# Altium PCB core.PcbDoc (part 2 of 4)
Units mil, origin at the board's own origin, x right, y up, seen from the top; angles counter-clockwise.
Board outline 2844.68 x 1781.68 mil, 4 copper layers (Top Layer 1, Signal Layer 1, Signal Layer 2, Bottom Layer 1), stack 23.756 mil thick; 133 components, 210 nets, 844 pads, 433 vias.
Unrouted connection lines stored in the file: 3.
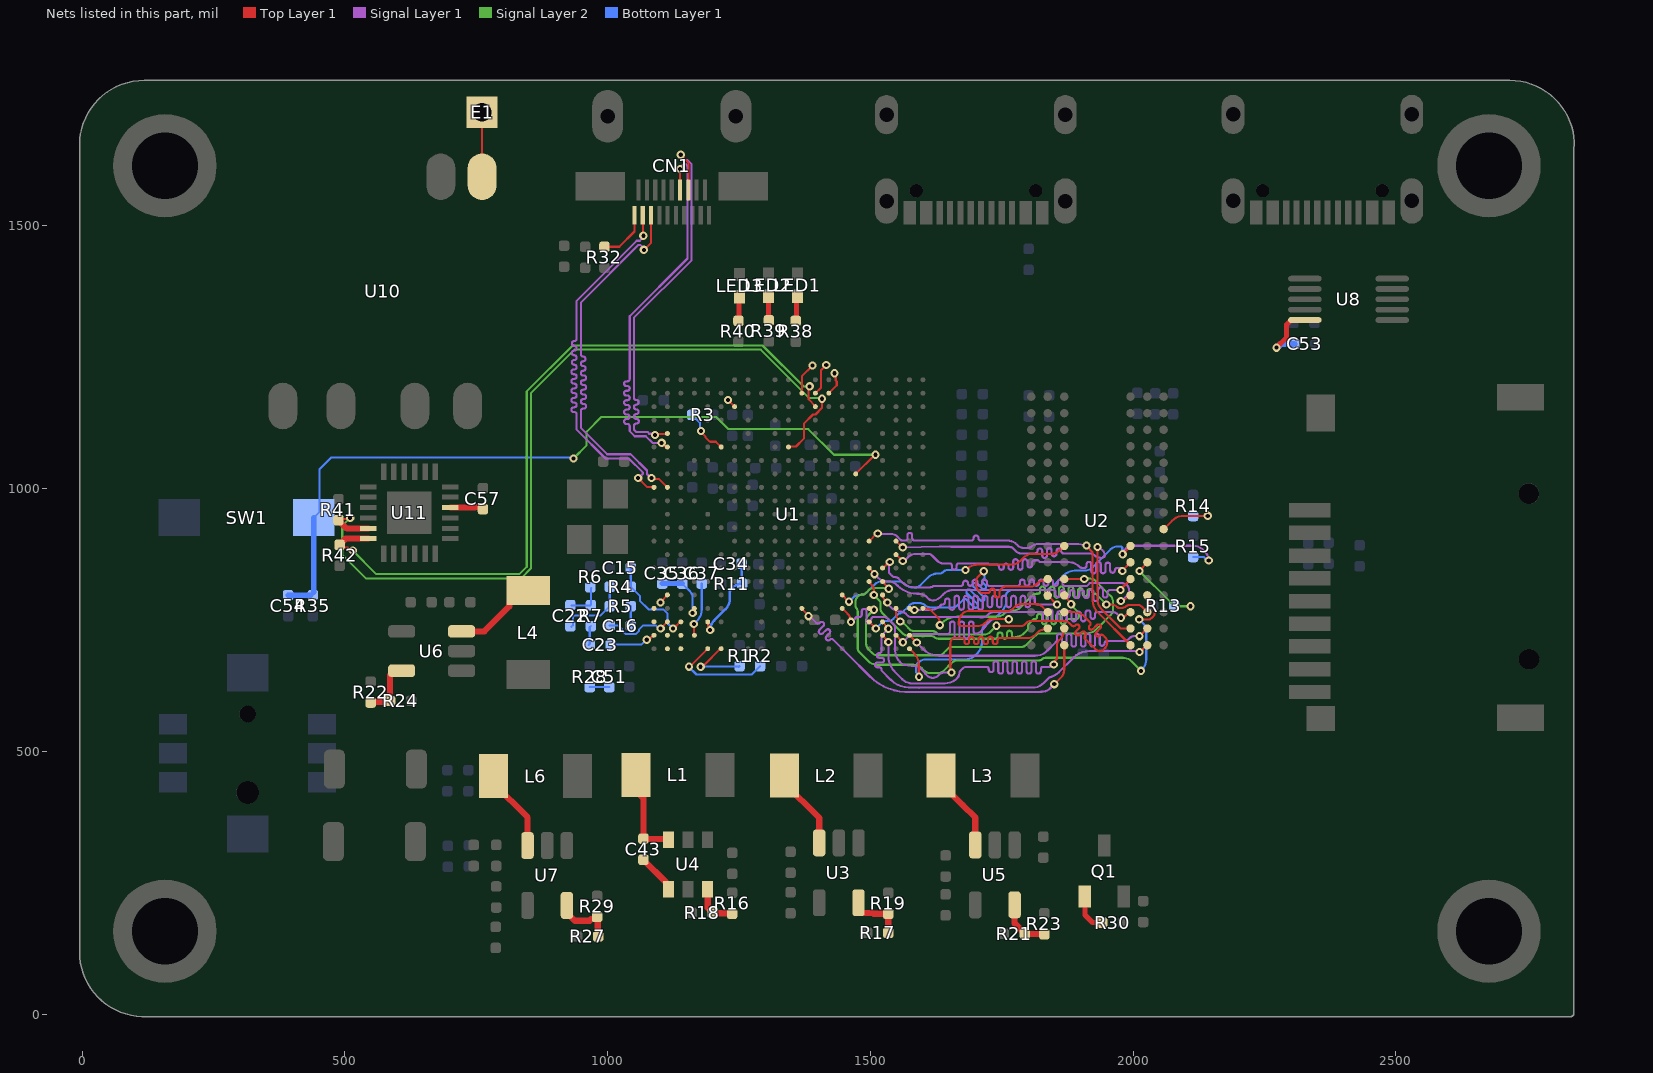
[diagram p4: the nets of this part, all layers, seen from the top]

## Via types
v1: diameter 15.75, hole 7.87, Top Layer 1 to Bottom Layer 1, tented both sides, 428 vias
v2: diameter 15.75, hole 7.87, Top Layer 1 to Bottom Layer 1, 4 vias
v3: diameter 15.75, hole 7.87, Signal Layer 1 to Signal Layer 2, tented both sides, 1 vias

## Nets (pads, with @x,y where several pads share a name; then routed paths per layer and width w, separated by ;. In a path a pad name is that pad's centre, name@x,y a point inside that pad or via, vN(x,y) a via of type N, cw(c..) or ccw(c..) an arc to the next point about the centre after c; other vN are vias at no path point) (continued)
HTX2_N: CN1.5 U1.J2 | length 766.6
  Top Layer 1 w4: v1(1068.9,1454.1) 1069.1,1454.1 1082.68,1467.68 CN1.5@1082.68,1520.18 ; v1(1083.59,1020) 1085.13,1018.46 1097.46,1018.46 U1.J2@1113.73,1002.2
  Signal Layer 1 w4: v1(1068.9,1454.1) 1068.9,1456.69 1062.04,1463.55 1058.72,1463.55 949,1353.83 949,1346 949,1255.57 ccw(c953.5,1255.57) 953.5,1251.07 cw(c953.5,1246.57) 953.5,1242.07 ccw(c953.5,1237.57) 953.5,1233.07 953.67,1233.07 cw(c953.67,1228.57) 953.67,1224.07 953.5,1224.07 ccw(c953.5,1219.57) 953.5,1215.07 954.5,1215.07 cw(c954.5,1210.57) 954.5,1206.07 953.5,1206.07 ccw(c953.5,1201.57) 953.5,1197.07 954.5,1197.07 cw(c954.5,1192.57) 954.5,1188.07 953.5,1188.07 ccw(c953.5,1183.57) 953.5,1179.07 954.5,1179.07 cw(c954.5,1174.57) 954.5,1170.07 953.5,1170.07 ccw(c953.5,1165.57) 953.5,1161.07 954.5,1161.07 cw(c954.5,1156.57) 954.5,1152.07 953.5,1152.07 ccw(c953.5,1147.57) 949,1147.57 949,1136.57 949,1115.35 999.25,1065.1 1043.83,1065.1 1074.8,1034.14 1074.8,1027.51 1082.31,1020 v1(1083.59,1020)
HTX2_P: CN1.3 U1.J1 | length 768.9
  Top Layer 1 w4: v1(1058,1020) 1074.76,1003.24 1087.1,1003.24 U1.J1@1088.14,1002.2 ; CN1.3@1066.93,1520.18 1066.93,1482.07 v1(1068,1481)
  Signal Layer 1 w4: v1(1058,1020) 1059.28,1020 1066.8,1027.51 1066.8,1030.83 1040.52,1057.1 995.93,1057.1 941,1112.04 941,1139 941,1141 ccw(c936.5,1141) 936.5,1145.5 935.5,1145.5 cw(c935.5,1150) 935.5,1154.5 936.5,1154.5 ccw(c936.5,1159) 936.5,1163.5 935.5,1163.5 cw(c935.5,1168) 935.5,1172.5 936.5,1172.5 ccw(c936.5,1177) 936.5,1181.5 935.5,1181.5 cw(c935.5,1186) 935.5,1190.5 936.5,1190.5 ccw(c936.5,1195) 936.5,1199.5 935.5,1199.5 cw(c935.5,1204) 935.5,1208.5 936.5,1208.5 ccw(c936.5,1213) 936.5,1217.5 935.5,1217.5 cw(c935.5,1222) 935.5,1226.5 936.5,1226.5 ccw(c936.5,1231) 936.5,1235.5 cw(c936.5,1240) 936.5,1244.5 ccw(c936.5,1249) 936.5,1253.5 cw(c936.5,1258) 936.5,1262.5 ccw(c936.5,1267) 936.5,1271.5 cw(c936.5,1276) 936.5,1280.5 ccw(c936.5,1285) 941,1285 941,1296.99 941,1346 941,1357.14 1055.41,1471.55 1061.14,1471.55 1068,1478.41 v1(1068,1481)
HTXC_N: CN1.14 U1.E2 | length 753.8
  Top Layer 1 w4: v1(1090,1102) 1091.52,1103.52 1112.69,1103.52 U1.E2@1113.73,1104.56 ; v1(1139,1635) 1153.54,1620.46 CN1.14@1153.54,1568.01
  Signal Layer 1 w4: v1(1090,1102) 1087.75,1104.25 1079.22,1104.25 1076.06,1107.41 1054.97,1107.41 1052.14,1110.24 1050,1112.37 1050,1118.99 cw(c1054.5,1118.99) 1054.5,1123.49 1054.88,1123.49 ccw(c1054.88,1127.99) 1054.88,1132.49 1054.5,1132.49 cw(c1054.5,1136.99) 1054.5,1141.49 ccw(c1054.5,1145.99) 1054.5,1150.49 cw(c1054.5,1154.99) 1054.5,1159.49 ccw(c1054.5,1163.99) 1054.5,1168.49 cw(c1054.5,1172.99) 1050,1172.99 1050,1186.41 1050,1224.9 1050,1324.63 1159.87,1434.5 1159.87,1617.06 1151.43,1625.5 1145.81,1625.5 1139,1632.31 v1(1139,1635)
HTXC_P: CN1.12 U1.F2 | length 770.4
  Top Layer 1 w4: v1(1102.75,1086.84) 1103,1086.84 1109.83,1080.01 1112.69,1080.01 U1.F2@1113.73,1078.97 U1.F2@1111.86,1078.97 ; CN1.12@1137.8,1568.01 1136,1569.81 1136,1576 1137,1575 1138,1576 v1(1138,1608)
  Signal Layer 1 w4: v1(1102.75,1086.84) 1085.31,1086.84 1072.75,1099.41 1051.65,1099.41 1042,1109.06 1042,1116.5 1042,1118.5 ccw(c1037.5,1118.5) 1037.5,1123 1035.68,1123 cw(c1035.68,1127.5) 1035.68,1132 1037.5,1132 ccw(c1037.5,1136.5) 1037.5,1141 1035.68,1141 cw(c1035.68,1145.5) 1035.68,1150 1037.5,1150 ccw(c1037.5,1154.5) 1037.5,1159 1035.68,1159 cw(c1035.68,1163.5) 1035.68,1168 1037.5,1168 ccw(c1037.5,1172.5) 1037.5,1177 1035.68,1177 cw(c1035.68,1181.5) 1035.68,1186 1037.5,1186 ccw(c1037.5,1190.5) 1037.5,1195 1035.68,1195 cw(c1035.68,1199.5) 1035.68,1204 1037.5,1204 ccw(c1037.5,1208.5) 1042,1208.5 1042,1224.9 1042,1327.94 1151.87,1437.82 1151.87,1613.75 1148.12,1617.5 1144.81,1617.5 1138,1610.69 v1(1138,1608)
I2C0_SCL: R41.2 U1.F11 U11.23 | length 1639.1
  Top Layer 1 w4: R41.2@487.78,939.81 489.87,941.91 507.91,941.91 v2(510,944) ; U1.F11@1344.05,1078.97 1344.99,1079.91 1358.55,1079.91 1373.43,1094.79 1373.43,1123.52 1390.79,1140.87 1395.53,1140.87 1408.02,1153.37 v1(1408.02,1170.76)
  Top Layer 1 w11.81: R41.2@487.78,939.81 503.75,923.84 U11.23@544.78,923.84
  Signal Layer 2 w4: v2(510,944) 495,929 495,874 540,829 835.31,829 854,847.69 854,982.69 854,1181.57 936.68,1264.25 1291.43,1264.25 1383.69,1172 1406.78,1172 v1(1408.02,1170.76)
I2C0_SDA: R42.2 U1.C13 U11.24 | length 1430.6
  Top Layer 1 w4: R42.2@489.78,892.81 494.55,888.04 505.78,888.04 511.82,882 v2(515,882) ; v1(1384.37,1194.37) 1382.43,1192.43 1382.43,1169.65 1395.23,1156.85 U1.C13@1395.23,1155.74
  Top Layer 1 w11.81: R42.2@489.78,892.81 501.81,904.84 U11.24@544.78,904.84
  Signal Layer 2 w4: v2(515,882) 560,837 832,837 846,851 846,1184.88 933.37,1272.25 1294.75,1272.25 1372.63,1194.37 v1(1384.37,1194.37)
I2C1_SCL: U1.B13 | length 62.3
  Top Layer 1 w4: U1.B13@1395.23,1181.33 1405.95,1192.05 1405.95,1224.95 v1(1416,1235)
I2C1_SDA: U1.B14 | length 46.1
  Top Layer 1 w4: U1.B14@1420.82,1181.33 1436,1196.51 1436,1203.54 1434,1205.54 1434,1217.16 v1(1431.75,1219.41)
I2C2_SCL: U1.B12 | length 61.1
  Top Layer 1 w4: U1.B12@1369.64,1181.33 1369.64,1213.64 v1(1390,1234)
I2C2_SDA: U1.C7 | length 18.1
  Top Layer 1 w4: v1(1228.89,1168.54) U1.C7@1241.68,1155.74
IR-RX: U1.U2 | length 20
  Top Layer 1 w4: v1(1100.55,782.91) 1100.55,783.6 1113.73,796.78 U1.U2@1113.73,797.47
KEY_CHECK: C54.2 R35.1 SW1.1 U1.H16 | length 1488
  Top Layer 1 w4: U1.H16@1472,1027.79 1508,1063.79 1508,1064 1508.29,1064.29 v1(1509.54,1064.29)
  Signal Layer 2 w4: v1(935,1057) 960,1082 960,1108 988,1136 1207,1136 1230,1113 1382,1113 1430.71,1064.29 v1(1509.54,1064.29)
  Bottom Layer 1 w4: SW1.1@440.95,944.65 452,955.7 452,1037 474,1059 933,1059 v1(935,1057)
  Bottom Layer 1 w10: C54.2@392,797 435.09,797 440.95,802.86 SW1.1@440.95,944.65
LINEINL: U1.V1
LINEINR: U1.W1 | length 1.5
  Top Layer 1 w4: U1.W1@1088.14,744.82 U1.W1@1088.14,746.29
LINEOUTL: U1.AA3 | length 1.1
  Top Layer 1 w4: U1.AA3@1138.22,695.11 U1.AA3@1139.32,695.11
LINEOUTR: U1.Y3 | length 0
MBIAS: C15.1 R4.2 U1.W3 | length 185.6
  Top Layer 1 w4: v1(1124.31,733.5) 1125.42,733.5 1138.21,746.29 U1.W3@1139.32,746.29
  Bottom Layer 1 w4: C15.1@1044,849 R4.2@1044,813 1061.31,795.69 1061.31,786.48 1077.76,770.03 1106.02,770.03 1113.65,762.4 1113.65,744.15 v1(1124.31,733.5)
MIC1N: C23.1 R7.2 | length 37.7
  Bottom Layer 1 w4: C23.1@964,702 966,704 966,736 R7.2@968,738
MIC1P: C16.2 R5.1 | length 37
  Bottom Layer 1 w4: C16.2@1044,739 R5.1@1044,776
MICIN1N: C23.2 U1.Y1 | length 89.5
  Top Layer 1 w4: v1(1074.53,712.32) 1076.78,714.56 1080.53,714.56 1086.67,720.7 U1.Y1@1088.14,720.7
  Bottom Layer 1 w4: C23.2@1006,703 1064.23,703 1073.54,712.32 v1(1074.53,712.32)
MICIN1P: C16.1 U1.W2 | length 132.9
  Top Layer 1 w4: v1(1100.94,733.5) U1.W2@1113.73,746.29
  Bottom Layer 1 w4: C16.1@1004,739 1020,739 1027.22,731.78 1027.22,730.22 1034.44,723 1053.56,723 1060,729.44 1060,731.88 1067.12,739 1092.25,739 1097.76,733.5 v1(1100.94,733.5)
MICIN2N: U1.AA2
MICIN2P: U1.Y2
NetC22_1: C22.1 R4.1 R5.2 | length 135.3
  Bottom Layer 1 w4: C22.1@931,737 934,740 934,755.66 936.34,758 986,758 R5.2@1004,776 R4.1@1004,813
NetC22_2: C22.2 R6.1 R7.1 | length 70.8
  Bottom Layer 1 w4: C22.2@931,777 931.5,777.5 967.5,777.5 R7.1@968,778 968.5,778.5 968.5,810.5 R6.1@969,811
NetC34_2: C34.2 R11.2 U1.W5 | length 171.6
  Top Layer 1 w4: U1.W5@1190.5,746.29 1191.55,745.25 1191.55,737.52 1195.07,734 v1(1195.07,730.82)
  Bottom Layer 1 w5.04: v1(1195.07,730.82) cw(c1220.1,730.82) 1195.26,733.91 cw(c1220.1,730.82) 1202.4,748.53 1224.15,770.28 ccw(c1203.95,790.48) 1232.52,790.48 1232.52,802.32 cw(c1241.71,802.32) 1235.21,808.81 1237.9,811.5 cw(c1256,793.41) R11.2@1256,819 1255.5,819.5 1255.5,856.5 C34.2@1255,857
NetC35_2: C35.2 C36.2 U1.V4 | length 112.9
  Top Layer 1 w4: v1(1161.7,763.15) 1163.87,765.32 1163.87,770.84 U1.V4@1164.91,771.88
  Bottom Layer 1 w4.02: C36.2@1142,819 1157.07,803.93 cw(c1145.88,792.74) 1161.7,792.74 v1(1161.7,763.15)
  Bottom Layer 1 w10: C35.2@1104,819 C36.2@1142,819 ; v1@1160.6,762.05 v1(1161.7,763.15)
NetC37_2: C37.2 U1.Y4 | length 105.9
  Top Layer 1 w4: U1.Y4@1163.52,719.31 U1.Y4@1164.91,720.7 1164,721.61 1164.46,722.07 1164.46,741.54 v1(1164,742)
  Bottom Layer 1 w4.02: v1(1164,742) 1169.81,747.81 ccw(c1147.63,769.99) 1179,769.99 C37.2@1179,819
NetC43_1: C43.1 U4.1 | length 76
  Top Layer 1 w11.81: C43.1@1068,293.65 1111.03,250.62 1111.03,241.98 U4.1@1115.6,237.41
NetC43_2: C43.2 L1.2 U4.6 | length 180.3
  Top Layer 1 w11.81: L1.2@1039.16,453.65 1039.16,439.48 1068,410.64 C43.2@1068,333.65 1068.88,332.78 1114.72,332.78 U4.6@1115.6,331.9
NetC51_1: C51.1 R28.1 | length 37
  Bottom Layer 1 w4: R28.1@966,622 C51.1@1003,622
NetC53_2: C53.2 U8.10 | length 127.1
  Top Layer 1 w10: v1(2273,1268) 2291.87,1286.86 2291.87,1311.75 2300.76,1320.63 U8.10@2326.86,1320.63
  Bottom Layer 1 w11.81: v1(2273,1268) 2274.07,1268 2281.07,1275 C53.2@2307,1275
NetC57_1: C57.1 U11.10 | length 63.9
  Top Layer 1 w11.81: U11.10@700.78,963.84 747.31,963.84 748.03,964.57 759.02,964.57 C57.1@762.78,960.81
NetCN1_1: CN1.1 R32.1 | length 100.3
  Top Layer 1 w4: R32.1@994,1460 1022,1460 1051.18,1489.18 CN1.1@1051.18,1520.18
NetE1_1: E1.1 U10.6 | length 122.8
  Top Layer 1 w4: E1.1@761,1716 761.21,1715.79 U10.6@761.21,1593.25
NetL2_1: L2.1 U3.3 | length 155.5
  Top Layer 1 w11.81: L2.1@1336.16,453.65 1336.16,439.48 1402.6,373.04 U3.3@1402.6,325.65
NetL3_1: L3.1 U5.3 | length 159.1
  Top Layer 1 w11.81: L3.1@1634.16,453.65 1634.16,439.48 1675.98,397.65 1699.6,374.04 U5.3@1699.6,321.71
NetL4_1: L4.1 U6.3 | length 163.7
  Top Layer 1 w11.81: U6.3@722,728.06 765.31,728.06 813.17,775.92 813.17,783.84 834.83,805.5 L4.1@849,805.5
NetL6_1: L6.1 U7.3 | length 158.6
  Top Layer 1 w11.81: L6.1@783.16,452.65 783.16,438.48 847.6,374.04 U7.3@847.6,320.71
NetLED1_2: LED1.2 R38.1 | length 48.2
  Top Layer 1 w10: R38.1@1358,1319 1359.5,1320.5 1359.5,1364.5 LED1.2@1361,1366
NetLED2_2: LED2.2 R39.1 | length 46.4
  Top Layer 1 w10: LED2.2@1306,1366 1306,1325 1307,1324 R39.1@1307,1320
NetLED3_2: LED3.2 R40.1 | length 46.8
  Top Layer 1 w10: R40.1@1249,1319 1250,1320 1250,1364 LED3.2@1251,1365
NetQ1_1: Q1.1 R30.2 | length 73.9
  Top Layer 1 w10: Q1.1@1907.6,223.38 1908.3,222.68 1908.3,188.4 1922.7,174 R30.2@1941,174
NetR1_2: R1.2 U1.AA6 | length 128.9
  Top Layer 1 w4: v1(1177,660.87) 1180.18,660.87 1184.3,664.99 1184.5,664.99 1214.62,695.11 U1.AA6@1216.1,695.11
  Bottom Layer 1 w4: v1(1177,660.87) 1177.56,661.44 1247.56,661.44 1249,660 R1.2@1251,662
NetR2_2: R2.2 U1.AA5 | length 198.5
  Top Layer 1 w4: v1(1154.69,661) 1156.39,661 U1.AA5@1190.5,695.11
  Bottom Layer 1 w4: v1(1154.69,661) 1154.69,660.31 1169,646 1274,646 R2.2@1290,662
NetR13_2: R13.2 U2.L8 | length 178.2
  Top Layer 1 w4: v1(2012,843) 2012,843.83 2027,858.83 U2.L8@2027,859.65
  Signal Layer 2 w4: v1(2012,843) 2012,842.65 2071.39,783.26 ccw(c2088.93,800.8) 2088.93,776 v1(2109,776)
  Bottom Layer 1 w4: R13.2@2078,777 2078.5,776.5 2108.5,776.5 v1(2109,776)
NetR14_2: R14.2 U2.J9 | length 121.3
  Top Layer 1 w4: U2.J9@2058,922.65 2074.12,938.77 cw(c2096.4,916.5) 2091.74,947.65 cw(c2096.4,916.5) 2096.4,948 v1(2142,948)
  Bottom Layer 1 w4: R14.2@2114,947.65 2141.65,947.65 v1(2142,948)
NetR16_1: R16.1 R18.2 U4.3 | length 86.6
  Top Layer 1 w11.81: U4.3@1190.4,237.41 1190.4,202.25 R18.2@1200,192.65 1201,191.65 1236,191.65 R16.1@1237,190.65
NetR17_1: R17.1 R19.2 U3.5 | length 109.4
  Top Layer 1 w11.81: U3.5@1477.4,211.65 1477.4,197.87 1483.31,191.97 1504.97,191.97 1506.28,190.65 R19.2@1534,190.65 R17.1@1534,154.65
NetR21_1: R21.1 R23.2 U5.5 | length 100.6
  Top Layer 1 w11.81: U5.5@1774.4,207.71 1774.4,172.25 R21.1@1794,152.65 1794.5,152.15 1830.5,152.15 R23.2@1831,151.65
NetR22_1: R22.1 R24.2 U6.5 | length 113
  Top Layer 1 w11.81: R22.1@549,592.65 550.5,594.15 584.5,594.15 R24.2@586,595.65 586,645.03 594.22,653.25 U6.5@608,653.25
NetR27_1: R27.1 R29.2 U7.5 | length 118.4
  Top Layer 1 w11.81: U7.5@922.4,206.71 922.4,192.93 937.68,177.65 966,177.65 968.91,180.56 975.91,180.56 R29.2@980,184.65 981,183.65 981,148.65 R27.1@982,147.65
PHY_RTX: R3.2 U1.F6 | length 90.8
  Top Layer 1 w4: v1(1177.6,1109.22) 1177.6,1107.13 1186.37,1098.36 1186.37,1096.79 1193.46,1089.69 1194.95,1089.69 1195.61,1089.03 1206.03,1089.03 U1.F6@1216.1,1078.97
  Bottom Layer 1 w4: R3.2@1161,1140 1175.79,1125.21 1175.79,1111.04 v1(1177.6,1109.22)
SA0: U1.T17 U2.N3 | length 668.1
  Top Layer 1 w4: U1.T17@1497.59,823.06 1497.59,821.59 1502.09,817.09 cw(c1491.23,806.24) 1506.58,806.24 v1(1506.58,797.45) ; U2.N3@1869.01,796.65 1869.01,794.68 1882.09,781.59 v1(1882.09,779.61)
  Signal Layer 2 w4: v1(1506.58,797.45) 1516.49,787.55 cw(c1509.44,780.5) 1519.4,780.5 1519.4,771.15 ccw(c1531.56,771.15) 1522.96,762.56 1561.19,724.33 ; 1561.21,724.31 ccw(c1572.11,735.24) 1570.79,719.86 ccw(c1572.11,735.24) 1572.11,719.81 1575.45,719.81 1588.3,719.65 ; 1588.35,719.65 1615.29,719.23 cw(c1615.09,706.36) 1624.07,715.58 ; 1621.48,717.53 ccw(c1629.71,725.75) 1624.07,715.58 ; v1@1882.09,777.3 v1(1882.09,779.61) ccw(c1886.21,779.61) 1883.3,776.7 1893.46,766.54 cw(c1884.93,758) 1897,758 1897,757.83 cw(c1890.17,757.83) 1895,753 cw(c1891.75,756.25) 1891.75,751.65 1887.32,751.65 1875.78,751.65 ccw(c1875.78,747.15) 1871.28,747.15 1871.28,746.15 cw(c1866.78,746.15) 1862.28,746.15 1862.28,757.15 ccw(c1857.78,757.15) 1853.28,757.15 1853.28,746.15 cw(c1848.78,746.15) 1844.28,746.15 1844.28,757.15 ccw(c1839.78,757.15) 1835.28,757.15 1835.28,746.15 cw(c1830.78,746.15) 1826.28,746.15 1826.28,757.15 ccw(c1821.78,757.15) 1817.28,757.15 1817.28,756.15 cw(c1812.78,756.15) 1812.78,751.65 1810.77,751.65 1803.12,744 1803,744 1802.12,743.12 ccw(c1807.24,738) 1800,738 1800,735.71 cw(c1791.05,735.71) 1797.39,729.39 1792,724 cw(c1776.84,739.15) 1776.84,717.72 cw(c1773.66,720.9) 1769.16,720.9 1769.16,724.82 ccw(c1764.66,724.82) 1760.16,724.82 1760.16,718.63 cw(c1755.66,718.63) 1751.16,718.63 1751.16,721.5 ccw(c1746.66,721.5) 1742.16,721.5 1742.16,718.63 cw(c1737.66,718.63) 1737.66,714.13 1735.66,714.13 1629.71,714.13 cw(c1629.71,725.75) 1624.07,715.58
SA1: U1.U18 U2.P7 | length 675.5
  Top Layer 1 w4: U1.U18@1523.18,797.47 ccw(c1536.16,797.47) 1526.98,788.3 v1(1532.28,783) ; v1@1983.61,756.25 1992.01,764.65 U2.P7@1995,764.65
  Signal Layer 1 w4: v1(1532.28,783) 1532.28,780.72 1539.88,773.12 ccw(c1557.06,790.29) 1557.06,766 cw(c1557.06,751.67) 1567.2,761.8 1570.01,758.99 ccw(c1579.19,768.16) 1579.19,755.19 1579.5,755.19 1583.15,755.37 cw(c1583.79,742.51) 1583.83,755.38 1708.98,755.02 1714.16,755.02 ccw(c1714.16,766.76) 1722.45,758.45 1724.75,760.75 cw(c1735.8,749.7) 1735.8,765.33 1813.16,765.33 1824.16,765.33 cw(c1824.16,760.83) 1828.66,760.83 1828.66,751.76 ccw(c1833.16,751.76) 1837.66,751.76 1837.66,764.94 cw(c1842.16,764.94) 1846.66,764.94 1846.66,751.76 ccw(c1851.16,751.76) 1855.66,751.76 1855.66,761.93 cw(c1860.16,761.93) 1864.66,761.93 1864.66,751.76 ccw(c1869.16,751.76) 1873.66,751.76 1873.66,762.24 cw(c1878.16,762.24) 1882.66,762.24 1882.66,751.76 ccw(c1887.16,751.76) 1891.66,751.76 1891.66,761.14 cw(c1896.16,761.14) 1900.66,761.14 1900.66,751.76 ccw(c1905.16,751.76) 1909.66,751.76 1909.66,763.66 cw(c1914.16,763.66) 1918.66,763.66 1918.66,756.52 ccw(c1923.16,756.52) 1927.66,756.52 1927.66,760.83 cw(c1932.16,760.83) 1932.16,765.33 1950.82,765.33 1958.72,765.33 cw(c1958.72,748.54) 1970.59,760.41 v1(1977,754)
SA2: U1.V19 U2.P3 | length 667.7
  Top Layer 1 w4: U1.V19@1548.77,771.88 1548.77,764.37 ccw(c1571.4,764.37) 1550.95,754.67 ccw(c1571.4,764.37) 1555.4,748.37 v1(1556.88,746.89) ; v1(1740,738.87) 1740.87,738 1785.98,738 ccw(c1785.98,749.06) 1793.79,741.23 1797.04,744.48 cw(c1804.71,736.81) 1804.71,747.65 1869.01,747.65 cw(c1869.01,733.65) 1878,744.38 ccw(c1880.53,747.48) 1878.3,744.16 1881.79,740.67 1883.2,739.26 ccw(c1886.38,742.44) 1889.57,739.26 1890.27,739.96 cw(c1893.46,736.78) 1896.64,739.97 cw(c1893.46,736.78) 1896.64,733.6 1891.19,728.16 ccw(c1894.38,724.98) 1891.19,721.79 ccw(c1894.38,724.98) 1897.56,721.79 1902.29,726.53 cw(c1905.48,723.35) 1908.66,726.53 cw(c1905.48,723.35) 1908.66,720.17 ccw(c1911.84,716.98) 1908.66,713.8 1917.81,704.65 ; 1866.43,747.65 ccw(c1866.8,751.64) 1866.77,747.64 1868.24,747.64 ccw(c1868.22,751.64) 1868.37,747.64 ; U2.P3@1869.01,764.65 1887.9,764.65 cw(c1887.9,737.85) 1906.85,756.81 1909.64,754.02 ; 1911.69,751.96 1909.64,754.02 ; 1915.56,706.9 1917.81,704.65 ; 1927.67,694.79 1917.81,704.65 ; 1927.68,694.78 ccw(c1937.96,705.08) 1937.96,690.53 1939.16,690.53 ccw(c1936,699.66) 1942.83,692.83 1947,697 ccw(c1937.86,706.14) 1950.79,706.14 ccw(c1934.54,706.14) 1946.04,717.61 ; 1946.03,717.63 1943.21,720.45 ccw(c1940.03,717.26) 1936.84,720.45 1936.14,719.74 cw(c1932.95,722.92) 1929.77,719.74 cw(c1932.95,722.92) 1929.77,726.1 1937.55,733.88 ccw(c1934.37,737.06) 1937.55,740.25 ccw(c1934.37,737.06) 1931.19,740.25 1923.41,732.47 cw(c1920.23,735.65) 1917.04,732.47 cw(c1920.23,735.65) 1917.04,738.83 1917.75,739.54 ccw(c1914.57,742.72) 1917.75,745.9 1909.64,754.02
  Signal Layer 2 w4: v1(1556.88,746.89) 1559.82,746.89 1571.79,734.92 1574.75,731.96 ccw(c1581.9,739.11) 1581.9,729 1582.05,729 1616.37,729 cw(c1616.34,715.41) 1625.96,725.01 ccw(c1632.93,732) 1632.93,722.13 1716.93,722.13 ccw(c1716.93,737.39) 1727.71,726.59 v1(1740,738.87)
SA3: U1.V20 U2.N2 | length 686.3
  Top Layer 1 w4: U1.V20@1574.36,771.88 1575.4,770.84 1581.66,770.84 v1(1583.63,768.87) ; U2.N2@1837.51,796.65 1837.58,796.65 1854.93,779.3 v1(1855,779.3)
  Signal Layer 1 w4: v1(1583.63,768.87) 1614.13,768.87 ccw(c1614.13,794.88) 1632.51,776.48 ; 1632.52,776.49 1635.33,779.3 1637.33,779.3 ccw(c1637.33,783.8) 1641.83,783.8 1641.83,786.02 cw(c1646.33,786.02) 1650.83,786.02 1650.83,773.8 ccw(c1655.33,773.8) 1659.83,773.8 1659.83,791.46 cw(c1664.33,791.46) 1668.83,791.46 1668.83,773.8 ccw(c1673.33,773.8) 1677.83,773.8 1677.83,791.46 cw(c1682.33,791.46) 1686.83,791.46 1686.83,773.8 ccw(c1691.33,773.8) 1695.83,773.8 1695.83,791.46 cw(c1700.33,791.46) 1704.83,791.46 1704.83,773.8 ccw(c1709.33,773.8) 1713.83,773.8 1713.83,791.46 cw(c1718.33,791.46) 1722.83,791.46 1722.83,778.5 ccw(c1727.33,778.5) 1731.83,778.5 1731.83,791.46 cw(c1736.33,791.46) 1740.83,791.46 1740.83,778.5 ccw(c1745.33,778.5) 1749.83,778.5 1749.83,791.46 cw(c1754.33,791.46) 1758.83,791.46 1758.83,778.5 ccw(c1763.33,778.5) 1767.83,778.5 1767.83,791.46 cw(c1772.33,791.46) 1776.83,791.46 1776.83,778.5 ccw(c1781.33,778.5) 1785.83,778.5 1785.83,791.46 cw(c1790.33,791.46) 1794.83,791.46 1794.83,778.5 ccw(c1799.33,778.5) 1803.83,778.5 1803.83,790.72 cw(c1808.33,790.72) 1812.83,790.72 1812.83,783.8 ccw(c1817.33,783.8) 1817.33,779.3 v1(1855,779.3)
SA4: U1.V21 U2.P8 | length 658.2
  Top Layer 1 w4: U1.V21@1599.95,771.88 1606.01,771.88 cw(c1606.01,759.18) 1614.99,768.16 1627.42,755.74 ; 1627.43,755.73 cw(c1616.05,744.37) 1632.13,744.37 v1(1632.13,740) ; v1(1948.98,779.33) 1957.82,779.33 cw(c1957.82,763.13) 1958.61,779.31 cw(c1957.82,763.13) 1969.26,774.6 ; 1969.29,774.58 ccw(c1973.41,778.72) 1973.41,772.87 1978.41,772.87 ccw(c1978.41,787.31) 1984.38,774.16 ccw(c1982.7,777.79) 1985.32,774.77 ccw(c1982.7,777.79) 1985.41,774.85 cw(c1995,764.65) 1988.21,776.9 ccw(c1986.24,780.38) 1989.05,777.53 ccw(c1988.69,781.51) 1990.07,777.76 cw(c1995,764.65) 1992.61,778.45 1993.45,778.59 cw(c1994.14,774.65) 1994.11,778.65 2008.43,778.65 cw(c2008.43,767.61) 2016.23,775.43 ; 2016.23,775.42 U2.P8@2027,764.65
  Signal Layer 2 w4: v1(1632.13,740) 1636.13,744.01 cw(c1665.09,715.05) 1636.18,744.06 cw(c1665.09,715.05) 1665.09,756 1740.36,756 ccw(c1740.36,776.38) 1752.2,759.8 ; 1752.23,759.82 ccw(c1749.88,763.05) 1752.66,760.18 cw(c1772.6,739.88) 1764,767 cw(c1768.71,752.13) 1771.1,767.54 ccw(c1771.68,771.5) 1771.72,767.5 ccw(c1771.37,786.3) 1784.67,773.01 1807.61,795.95 cw(c1816.55,787) 1816.55,799.65 1818.55,799.65 ccw(c1818.55,804.15) 1823.05,804.15 1823.05,808.93 cw(c1827.55,808.93) 1832.05,808.93 1832.05,794.15 ccw(c1836.55,794.15) 1841.05,794.15 1841.05,808.93 cw(c1845.55,808.93) 1850.05,808.93 1850.05,796.68 ccw(c1854.55,796.68) 1859.05,796.68 1859.05,808.93 cw(c1863.55,808.93) 1868.05,808.93 1868.05,796.99 ccw(c1872.55,796.99) 1877.05,796.99 1877.05,808.93 cw(c1881.55,808.93) 1886.05,808.93 1886.05,796.99 ccw(c1890.55,796.99) 1895.05,796.99 1895.05,805.81 cw(c1899.55,805.81) 1904.05,805.81 1904.05,799.65 ccw(c1908.55,799.65) 1913.05,799.65 1913.05,804.15 cw(c1917.55,804.15) 1922.05,804.15 ccw(c1926.55,804.15) 1926.55,799.65 1928.89,799.65 1938.64,789.9 v1@1948.22,780.33 ; v1@1948.24,780.3 cw(c1945.37,777.52) 1948.67,779.77 v1(1948.98,779.33)
SA5: U1.Y19 U2.P2 | length 688.8
  Top Layer 1 w4: U1.Y19@1548.77,720.7 1548.77,720.58 1561.76,707.59 v1(1561.76,707.46) ; 1669.72,739.79 cw(c1671.95,743.11) 1667.96,742.99 cw(c1694.33,743.46) 1675.65,762.08 cw(c1687.49,750.3) 1687.49,767 1761.34,767 ccw(c1761.34,780.66) 1765.65,767.7 ccw(c1761.34,780.66) 1771,771 1775.06,775.06 cw(c1787,763.1) 1787,780 1815.34,780 cw(c1815.34,763.53) 1826.99,775.18 U2.P2@1837.51,764.65 ; 1669.76,739.76 ccw(c1675.66,748.75) 1675.66,738 1704,738 ccw(c1704,757.31) 1717.66,743.66 1723,749 cw(c1729.81,742.19) 1729.81,751.82 1747.48,751.82 ; 1747.51,751.82 1763.36,751.7 v1(1763.36,751.13)
  Signal Layer 1 w4: v1(1561.76,707.46) 1561.76,707.57 1572.73,718.54 cw(c1583.5,707.77) 1583.48,723 1597.34,723 1644.85,723 1646.85,723 ccw(c1646.85,727.5) 1651.35,727.5 1651.35,742.39 cw(c1655.85,742.39) 1660.35,742.39 1660.35,718.86 ccw(c1664.85,718.86) 1669.35,718.86 1669.35,742.39 cw(c1673.85,742.39) 1678.35,742.39 1678.35,718.86 ccw(c1682.85,718.86) 1687.35,718.86 1687.35,742.39 cw(c1691.85,742.39) 1696.35,742.39 1696.35,728.19 ccw(c1700.85,728.19) 1702.32,723.93 1707.58,725.76 ; 1707.62,725.79 1707.78,725.92 1714,732.14 1716,734.14 1718.2,736.34 cw(c1754.32,715.96) 1721.28,741.03 cw(c1736.67,729.36) 1723,743 1727.92,747.92 cw(c1737.34,738.51) 1737.34,751.82 1747.48,751.82 ; 1747.51,751.82 1763.36,751.7 v1(1763.36,751.13)
SA6: U1.Y20 U2.R8 | length 683.8
  Top Layer 1 w4: U1.Y20@1574.36,720.7 1574.36,720.63 1588.15,706.85 v1(1588.15,706.78) ; v1(2012,719) 2012.17,719 2026.83,733.65 U2.R8@2027,733.65
  Signal Layer 1 w4: v1(1588.15,706.78) 1600.71,694.22 ccw(c1631.04,724.55) 1631.04,681.65 1812.77,681.65 ccw(c1812.77,716.01) 1837.04,691.7 1851.17,705.82 1853.17,707.82 ccw(c1847.74,713.26) 1855.42,713.26 1855.42,719 cw(c1859.92,719) 1864.42,719 1864.42,703.71 ccw(c1868.92,703.71) 1873.42,703.71 1873.42,719 cw(c1877.92,719) 1882.42,719 1882.42,703.71 ccw(c1886.92,703.71) 1891.42,703.71 1891.42,719 cw(c1895.92,719) 1900.42,719 1900.42,703.71 ccw(c1904.92,703.71) 1909.42,703.71 1909.42,719 cw(c1913.92,719) 1918.42,719 1918.42,703.71 ccw(c1922.92,703.71) 1927.42,703.71 1927.42,718.42 cw(c1931.92,718.42) 1936.42,718.42 1936.42,705.15 ccw(c1940.92,705.15) 1945.42,705.15 cw(c1949.92,705.15) 1949.92,709.65 1960.41,709.65 1981.39,709.65 ccw(c1981.39,725.61) 1992.66,714.31 ; 1992.67,714.33 1995.01,716.66 cw(c2000.65,711.02) 2000.65,719 v1(2012,719)
SA7: U1.V15 U2.R2 | length 683.6
  Top Layer 1 w4: U1.V15@1446.41,771.88 1456.65,761.64 cw(c1441.3,746.29) 1459,758.85 cw(c1441.3,746.29) v1(1463.01,746.29) ; v1(1654.28,649.72) 1652.03,651.97 1652.03,704.41 cw(c1665.59,704.41) 1656,714 cw(c1659.99,710.01) 1659.99,715.65 1663.4,715.65 1674.4,715.65 cw(c1674.4,711.15) 1678.9,711.15 1678.9,708.38 ccw(c1683.4,708.38) 1687.9,708.38 1687.9,713.5 cw(c1692.4,713.5) 1696.9,713.5 1696.9,708.38 ccw(c1701.4,708.38) 1705.9,708.38 1705.9,713.5 cw(c1710.4,713.5) 1714.9,713.5 1714.9,708.38 ccw(c1719.4,708.38) 1723.9,708.38 1723.9,713.5 cw(c1728.4,713.5) 1732.9,713.5 1732.9,708.38 ccw(c1737.4,708.38) 1741.9,708.38 1741.9,711.15 cw(c1746.4,711.15) 1746.4,715.65 1782.53,715.65 1799.63,715.65 ccw(c1799.63,735.4) 1813.6,721.44 1819.38,727.22 cw(c1829.37,717.24) 1829.37,731.36 1835.22,731.36 U2.R2@1837.51,733.65
  Signal Layer 1 w4: v1(1463.01,746.29) 1464.38,746.29 1473.5,755.42 1477.03,755.42 1479.03,755.42 ccw(c1479.03,759.92) 1483.53,759.92 1483.53,766.46 cw(c1488.03,766.46) 1492.53,766.46 1492.53,747.35 ccw(c1497.03,747.35) 1501.53,747.35 1501.53,750.92 cw(c1506.03,750.92) 1506.03,755.42 1524.53,755.42 cw(c1524.53,741.86) 1526.38,755.29 cw(c1524.53,741.86) 1534.12,751.44 1543.44,742.12 ; 1543.45,742.07 cw(c1534.63,733.26) 1547.1,733.26 1547.1,691.49 ccw(c1577.13,691.49) 1555.89,670.25 1558.96,667.18 ccw(c1578.44,705.65) 1578.44,662.53 1582.78,662.53 cw(c1582.78,643.36) 1596.34,656.91 1601.84,651.41 cw(c1599,648.59) 1602.32,650.83 1604.58,647.51 ccw(c1607.87,649.78) 1605.02,646.98 ; 1605.02,646.98 1608.1,643.9 ccw(c1618.33,654.16) 1618.33,639.67 ccw(c1618.33,654.88) 1629.08,644.13 cw(c1642.6,630.61) 1642.6,649.72 v1(1654.28,649.72)
SA8: U1.W18 U2.T8 | length 686.7
  Top Layer 1 w4: U1.W18@1523.18,746.29 1523.18,745.21 1534.22,734.17 v1(1534.22,733.09) ; v1(2012,689) 2013.17,689 2025.83,701.65 U2.T8@2027,701.65
  Signal Layer 1 w4: v1(1534.22,733.09) 1524.73,723.6 ccw(c1532.9,715.44) 1521.35,715.44 1521.35,698.43 1521.35,691.31 cw(c1516.85,691.31) 1516.85,686.81 ccw(c1516.85,682.31) 1516.85,677.81 1521.63,677.81 cw(c1521.63,673.31) 1521.63,668.81 1513.29,668.81 ccw(c1513.29,664.31) 1513.29,659.81 1516.85,659.81 cw(c1516.85,655.31) 1521.35,655.31 1521.35,653.31 1538.28,636.37 ; 1538.31,636.35 ccw(c1575.43,673.53) 1573.07,621.04 ccw(c1575.43,673.53) 1575.43,620.98 1582.35,620.98 ; 1582.37,620.98 1592.55,620.94 ccw(c1592.7,641.81) 1592.75,620.93 1787.28,621.13 1808.58,621.13 ccw(c1808.58,651.42) 1830,630 1839.5,639.5 cw(c1844.79,634.21) 1840.94,640.63 cw(c1844.79,634.21) 1844.79,641.69 ccw(c1833.34,675.57) 1858.61,650.26 ; 1858.63,650.28 1886.73,678.38 cw(c1916.36,648.75) 1916.36,690.65 2010.35,690.65 v1(2012,689)
SA9: U1.Y18 U2.R3 | length 681.2
  Top Layer 1 w4: U1.Y18@1523.18,720.7 1523.18,719.82 1534.22,708.78 v1(1534.22,707.9) ; v1@1851.25,672.21 1854,674.96 ccw(c1851.16,677.78) 1855.16,677.78 1855.16,699.34 ccw(c1851.16,699.32) 1855.13,699.81 cw(c1869.01,701.65) 1855.01,701.21 cw(c1869.01,701.65) 1855.01,701.26 ; 1855.25,704.23 ccw(c1869.01,701.65) 1855.01,701.26 ; U2.R3@1869.01,733.65 1867.21,731.85 1867.21,725.75 cw(c1852.48,725.75) 1862.91,715.35 1858.29,710.73 cw(c1854.83,712.75) 1858,710.3 ccw(c1869.01,701.65) 1855.01,701.26
  Signal Layer 1 w4: v1(1534.22,707.9) 1534.22,681.84 ccw(c1578.37,681.84) 1542.62,655.94 ccw(c1578.37,681.84) 1547.15,650.63 1560.67,637.1 ccw(c1580.15,656.58) 1579.65,629.04 ccw(c1580.15,656.58) 1580.15,629.04 1592.62,628.93 ccw(c1592.7,641.81) 1592.74,628.93 1635.47,629.08 1640.58,629.08 ccw(c1640.58,666.66) 1641.84,629.1 ccw(c1640.58,666.66) 1661.37,635.36 1664.85,638.83 ccw(c1653.46,650.22) 1667.15,641.74 ccw(c1653.46,650.22) 1669.36,647.68 cw(c1678.25,647.68) 1671.96,653.96 1675,657 cw(c1683.82,648.18) 1683.82,660.65 1704.66,660.65 1720.79,660.65 cw(c1720.79,656.15) 1725.29,656.15 1725.29,655.12 ccw(c1729.79,655.12) 1734.29,655.12 1734.29,666.69 cw(c1738.79,666.69) 1743.29,666.69 1743.29,652.19 ccw(c1747.79,652.19) 1752.29,652.19 1752.29,666.69 cw(c1756.79,666.69) 1761.29,666.69 1761.29,652.19 ccw(c1765.79,652.19) 1770.29,652.19 1770.29,666.69 cw(c1774.79,666.69) 1779.29,666.69 1779.29,652.19 ccw(c1783.79,652.19) 1788.29,652.19 1788.29,666.69 cw(c1792.79,666.69) 1797.29,666.69 1797.29,652.19 ccw(c1801.79,652.19) 1806.29,652.19 1806.29,666.69 cw(c1810.79,666.69) 1815.29,666.69 1815.29,652.19 ccw(c1819.79,652.19) 1824.29,652.19 1824.29,656.15 cw(c1828.79,656.15) 1828.79,660.65 1841.78,660.65 v1@1846.54,665.41
  other v1: 1849,665
SA10: U1.P19 U2.L7 | length 683.6
  Top Layer 1 w4: U1.P19@1548.77,874.24 1549.13,874.24 1561.15,862.22 v1(1561.51,862.22) ; v1(1979.5,843) 1979.5,843.58 1995,859.08 U2.L7@1995,859.65
  Signal Layer 1 w4: v1(1561.51,862.22) 1564.42,862.22 1571.93,869.73 cw(c1586.23,855.43) 1586.23,875.65 1609.78,875.65 cw(c1609.78,864.97) 1617.33,872.53 1628.73,861.13 ccw(c1637.13,869.54) 1637.13,857.65 1639.54,857.65 1650.54,857.65 cw(c1650.54,853.15) 1655.04,853.15 1655.04,850.26 ccw(c1659.54,850.26) 1664.04,850.26 1664.04,853.15 cw(c1668.54,853.15) 1668.54,857.65 1678.37,857.65 1720.96,857.65 cw(c1720.96,849.86) 1726.11,855.71 ccw(c1728.01,860.89) 1728.01,855.37 1729.28,855.37 1740.28,855.37 cw(c1740.28,850.87) 1744.78,850.87 1744.78,849.87 ccw(c1749.28,849.87) 1753.78,849.87 1753.78,852.43 cw(c1758.28,852.43) 1762.78,852.43 1762.78,849.87 ccw(c1767.28,849.87) 1771.78,849.87 1771.78,860.94 cw(c1776.28,860.94) 1780.78,860.94 1780.78,849.87 ccw(c1785.28,849.87) 1789.78,849.87 1789.78,860.94 cw(c1794.28,860.94) 1798.78,860.94 1798.78,854.39 ccw(c1803.28,854.39) 1807.78,854.39 1807.78,859.03 cw(c1812.28,859.03) 1812.28,863.53 1819.14,863.53 1822.88,859.79 1877.98,859.79 cw(c1877.98,833.04) 1895.19,853.52 1896.68,852.03 ccw(c1904.84,860.19) 1897.84,851.02 ccw(c1904.84,860.19) 1904.84,848.65 1906.84,848.65 ccw(c1906.84,853.15) 1911.34,853.15 1911.34,855.9 cw(c1915.84,855.9) 1920.34,855.9 1920.34,843.15 ccw(c1924.84,843.15) 1929.34,843.15 1929.34,855.9 cw(c1933.84,855.9) 1938.34,855.9 1938.34,843.15 ccw(c1942.84,843.15) 1947.34,843.15 1947.34,854.4 cw(c1951.84,854.4) 1956.34,854.4 1956.34,844.15 ccw(c1960.84,844.15) 1965.34,844.15 cw(c1969.84,844.15) 1969.84,848.65 v1@1982,848.65
SA11: U1.N19 U2.R7 | length 687
  Top Layer 1 w4: U1.N19@1548.77,899.83 1549.24,899.83 1561.1,887.97 v1(1561.57,887.97) ; v1(1932.01,888.65) 1932,790.33 ccw(c1961.66,790.33) 1940.66,769.38 ; 1940.69,769.35 1976.39,733.65 U2.R7@1995,733.65
  Signal Layer 1 w4: v1(1561.57,887.97) 1631.79,889.5 cw(c1632.08,876.63) 1632.31,889.5 1653.2,889.12 ccw(c1653.28,893.12) 1653.28,889.12 1740.77,889.24 cw(c1740.78,876.36) 1740.84,889.24 1763.23,889.12 cw(c1763.25,876.28) 1768.11,888.17 cw(c1763.25,876.28) 1772.33,885.36 1777.62,880.07 ccw(c1785.86,888.31) 1785.86,876.65 1811.5,876.65 1813.5,876.65 ccw(c1813.5,881.15) 1818,881.15 1818,881.4 cw(c1822.5,881.4) 1827,881.4 1827,872.29 ccw(c1831.5,872.29) 1836,872.29 1836,882.15 cw(c1840.5,882.15) 1845,882.15 1845,875.4 ccw(c1849.5,875.4) 1854,875.4 1854,881.15 cw(c1858.5,881.15) 1863,881.15 ccw(c1867.5,881.15) 1867.5,876.65 1893.75,876.65 1917.61,876.65 1917.84,876.42 cw(c1915.57,857.77) 1925.44,873.76 cw(c1915.57,857.77) 1925.63,873.64 cw(c1915.57,857.77) 1928.85,871.06 ccw(c1939.32,887.43) 1931.73,869.54 ccw(c1939.32,887.43) 1939.32,868 1940.17,868 ccw(c1940.17,874.83) 1945,870 ccw(c1942.59,872.41) 1946,872.41 ccw(c1932.51,872.41) 1942.05,881.95 1937.7,886.3 ccw(c1932.01,880.61) v1(1932.01,888.65)
SA12: U1.R18 U2.N7 | length 704.8
  Top Layer 1 w4: U1.R18@1523.18,848.65 1524.24,848.65 1535.69,860.1 v1(1536.75,860.1) ; v1@1983.86,788 1992,796.13 1992,796.65 U2.N7@1995,796.65
  Signal Layer 1 w4: v1(1536.75,860.1) 1535.25,858.6 1535.25,841.4 ccw(c1539.85,841.4) 1536.59,838.16 1540.83,833.91 ccw(c1547.28,840.36) 1547.28,831.24 cw(c1547.28,822.13) 1553.72,828.58 1560.86,821.44 ccw(c1583.92,844.49) 1583.92,811.88 1613.4,811.88 ccw(c1613.4,815.88) 1614.74,812.11 cw(c1619.03,799.98) 1617.37,812.74 ccw(c1616.81,816.7) 1617.48,812.76 1617.65,812.79 cw(c1622.46,807.98) 1620.03,814.33 cw(c1622.46,807.98) 1622.46,814.78 1629.75,814.78 ; 1654.11,814.78 1633.11,814.78 1629.75,814.78 ; v1(1976.67,785.75) ccw(c1976.67,790.76) 1976.91,785.75 ccw(c1976.67,790.76) 1980.22,787.22 1986.42,793.42 ; 1986.43,793.43 ccw(c1972.25,807.58) 1992.02,804.37 1992.02,807.34 ccw(c1980.21,807.34) 1988.57,815.69 ccw(c1978.47,805.59) 1978.47,819.87 1917.43,819.87 1912.33,814.78 1881.11,814.78 1870.11,814.78 cw(c1870.11,819.28) 1865.61,819.28 1865.61,822.01 ccw(c1861.11,822.01) 1856.61,822.01 1856.61,819.28 cw(c1852.11,819.28) 1847.61,819.28 1847.61,822.01 ccw(c1843.11,822.01) 1838.61,822.01 1838.61,819.28 cw(c1834.11,819.28) 1829.61,819.28 1829.61,822.01 ccw(c1825.11,822.01) 1820.61,822.01 1820.61,819.28 cw(c1816.11,819.28) 1811.61,819.28 1811.61,822.01 ccw(c1807.11,822.01) 1802.61,822.01 1802.61,819.28 cw(c1798.11,819.28) 1793.61,819.28 1793.61,822.01 ccw(c1789.11,822.01) 1784.61,822.01 1784.61,819.28 cw(c1780.11,819.28) 1780.11,814.78 1726.11,814.78 cw(c1726.11,819.28) 1721.61,819.28 1721.61,822.01 ccw(c1717.11,822.01) 1712.61,822.01 1712.61,819.28 cw(c1708.11,819.28) 1703.61,819.28 1703.61,822.01 ccw(c1699.11,822.01) 1694.61,822.01 1694.61,819.28 cw(c1690.11,819.28) 1685.61,819.28 1685.61,820.15 ccw(c1681.11,820.15) 1676.61,820.15 1676.61,819.28 cw(c1672.11,819.28) 1672.11,814.78 1629.75,814.78
SA13: U1.V12 U2.T3 | length 683.6
  Top Layer 1 w4: U1.V12@1369.64,771.88 1369.64,770.9 1382.43,758.11 v1(1382.43,757.13) ; v1(1850,627.65) 1863,640.65 ccw(c1848.49,655.16) 1869.01,655.16 U2.T3@1869.01,701.65
  Signal Layer 1 w4: v1(1382.43,757.13) 1384.39,757.13 1395.93,745.59 1397.34,744.17 ccw(c1400.53,747.36) 1403.71,744.18 1404.23,744.7 cw(c1407.42,741.52) 1410.6,744.7 cw(c1407.42,741.52) 1410.6,738.34 1403,730.74 ccw(c1406.18,727.56) 1403,724.38 ccw(c1406.18,727.56) 1409.37,724.38 1415.85,730.86 cw(c1419.03,727.67) 1422.21,730.86 cw(c1419.03,727.67) 1422.21,724.49 1416.44,718.72 ccw(c1419.62,715.54) 1416.44,712.35 ccw(c1419.62,715.54) 1422.8,712.35 cw(c1425.98,709.17) 1429.16,712.36 1456.26,685.26 1499.3,642.22 ccw(c1570.01,712.93) 1565.94,613.02 ccw(c1570.01,712.93) 1570.01,612.93 1602.21,612.93 1808.61,613.13 1824.96,613.14 1826.44,613.14 ccw(c1826.44,634.99) 1826.71,613.14 ccw(c1826.44,634.99) 1841.87,619.53 v1(1850,627.65)
SA14: U1.N17 U2.T7 | length 687
  Top Layer 1 w4: U1.N17@1497.59,899.83 1512.28,914.53 v1(1514,914.53) ; v1(1911.41,891.43) 1921.74,879.5 ccw(c1924.78,882.1) 1921.83,879.39 1921.9,879.32 ; 1921.93,879.29 cw(c1918.96,876.6) 1922.79,877.76 1922.83,877.64 cw(c1919,876.49) 1923,876.57 1923,786.77 ccw(c1953.55,786.77) 1931.93,765.19 1995,702.12 U2.T7@1995,701.65
  Signal Layer 1 w4: v1(1514,914.53) 1515.21,913.32 1539.3,913.32 cw(c1539.3,896.08) 1551.49,908.27 1557.1,902.66 ccw(c1561.48,907.03) 1561.48,900.84 1564.04,900.84 1566.04,900.84 ccw(c1566.04,905.34) 1570.54,905.34 1570.54,911.15 cw(c1575.04,911.15) 1579.54,911.15 1579.54,905.34 ccw(c1584.04,905.34) 1584.04,900.84 1692.04,900.84 ccw(c1692.04,905.34) 1696.54,905.34 1696.54,906.04 cw(c1701.04,906.04) 1705.54,906.04 1705.54,905.34 ccw(c1710.04,905.34) 1710.04,900.84 1741.73,900.84 1760.46,900.84 cw(c1760.46,874.58) 1779.01,893.17 ; 1779.02,893.15 1781.05,891.12 ccw(c1791,901.07) 1791,887 1801.17,887 ccw(c1801.17,893.83) 1806,889 cw(c1819.65,875.35) 1819.65,894.65 1895.54,894.65 cw(c1895.54,890.65) 1896.36,894.57 v1(1911.41,891.43)
SA15: U1.R17 U2.M7 | length 687
  Top Layer 1 w4: U1.R17@1497.59,848.65 1497.59,848.03 1507.93,837.69 v1(1507.93,837.07) ; v1(1976,807) 1976,807.83 1995,826.83 U2.M7@1995,827.65
  Signal Layer 1 w4: v1(1507.93,837.07) 1514.8,830.2 ccw(c1531.67,847.07) 1531.54,823.21 ccw(c1531.67,847.07) 1531.67,823.21 1532.97,823.21 cw(c1532.97,797.07) 1551.45,815.55 1552,815 ccw(c1589.05,852.05) 1589.05,799.65 1592.28,799.65 cw(c1592.28,778.27) 1607.39,793.4 ; 1607.43,793.37 cw(c1604.55,790.59) 1607.51,793.28 1609.56,791.03 ccw(c1619.08,799.7) 1617.04,786.99 1617.52,786.99 ccw(c1617.52,809.85) 1633.67,793.67 ; 1633.68,793.68 1639.07,799.07 cw(c1657.69,780.45) 1657.69,806.78 1823.11,806.78 1848,806.78 cw(c1848,802.28) 1852.5,802.28 1852.5,797.99 ccw(c1857,797.99) 1861.5,797.99 1861.5,802.28 cw(c1866,802.28) 1870.5,802.28 1870.5,796.99 ccw(c1875,796.99) 1879.5,796.99 1879.5,802.28 cw(c1884,802.28) 1888.5,802.28 1888.5,795.91 ccw(c1893,795.91) 1897.5,795.91 1897.5,802.28 cw(c1902,802.28) 1906.5,802.28 1906.5,795.89 ccw(c1911,795.89) 1915.5,795.89 1915.5,802.93 cw(c1920,802.93) 1924.5,802.93 1924.5,790.08 ccw(c1929,790.08) 1933.5,790.08 1933.5,807.37 cw(c1938,807.37) 1942.5,807.37 1942.5,796.7 ccw(c1947,796.7) 1951.5,796.7 1951.5,802.28 cw(c1956,802.28) 1956,806.78 1975.78,806.78 v1(1976,807)
SBA0: U1.W17 U2.M2 | length 648.7
  Top Layer 1 w4: U1.W17@1497.59,746.29 v1(1510.39,733.5) ; 1704.36,831.41 ccw(c1718.41,821.13) 1701,821.13 1701,818.19 ccw(c1718.36,818.19) 1706.09,805.92 1711.17,800.83 1715.73,800.83 1723.25,800.83 ccw(c1723.25,805.33) 1727.75,805.33 cw(c1732.25,805.33) 1736.75,805.33 1736.75,796.87 ccw(c1741.25,796.87) 1745.75,796.87 1745.75,802.57 cw(c1753.43,802.57) 1748,808 1750,810 cw(c1758.82,801.18) 1758.82,813.65 1805.25,813.65 1805.87,813.65 ; 1704.38,831.44 cw(c1707.6,829.07) 1704.82,831.94 v1(1715.72,842.5) ; 1805.87,813.65 ccw(c1806.02,827.65) 1806.02,813.65 ccw(c1806.02,827.65) 1815.89,817.72 ccw(c1806.02,827.65) 1815.94,817.78 ccw(c1806.02,827.65) 1816.02,817.86 1818.07,819.91 cw(c1831.22,806.77) 1818.19,820.03 cw(c1831.22,806.77) 1831.22,825.36 1835.22,825.36 U2.M2@1837.51,827.65
  Bottom Layer 1 w4: v1(1510.39,733.5) 1519.41,742.52 cw(c1532.12,729.81) 1532.12,747.78 1533.63,747.78 ccw(c1533.63,762.1) 1543.75,751.96 ; 1543.76,751.98 1552.46,760.68 cw(c1556.29,756.85) 1554.93,762.09 ; 1556.29,762.27 ccw(c1556.29,756.85) 1554.93,762.09 ; v1@1715.74,842.48 cw(c1713.25,839.36) 1717.12,840.35 cw(c1713.25,839.36) 1717.18,840.08 cw(c1713.25,839.36) 1717.25,839.36 1717.25,829.19 1714.67,826.61 ccw(c1717.85,823.43) 1714.67,820.25 1718.97,815.94 cw(c1715.79,812.76) 1718.97,809.58 cw(c1715.79,812.76) 1712.61,809.58 1702.93,819.25 ccw(c1699.75,816.07) 1696.57,819.25 ccw(c1699.75,816.07) 1696.57,812.89 1715.95,793.51 cw(c1712.76,790.33) 1715.95,787.15 cw(c1712.76,790.33) 1709.58,787.15 1690.2,806.53 ccw(c1687.02,803.34) 1683.84,806.53 ccw(c1687.02,803.34) 1683.84,800.16 1703.22,780.78 cw(c1700.04,777.6) 1703.22,774.42 cw(c1700.04,777.6) 1696.85,774.42 1682.85,788.43 ccw(c1679.66,785.24) 1676.48,788.43 1668.7,780.65 1665.38,777.33 cw(c1657.12,785.59) 1657.12,773.91 1613.23,773.91 cw(c1613.23,787.29) 1605.91,776.08 1604.66,777.33 ccw(c1594,766.67) 1602.4,779.19 ccw(c1594,766.67) 1594,781.75 1583.63,781.75 ccw(c1583.63,768.87) 1574.53,777.98 1570.75,774.21 1561.72,765.15 cw(c1554.29,772.58) 1560.06,763.8 cw(c1554.29,772.58) 1554.93,762.09
SBA1: U1.T18 U2.N8 | length 943.2
  Top Layer 1 w4: U1.T18@1523.18,823.06 1523.18,822 1534.87,810.31 v1(1534.87,809.25) ; v1@2009.35,750.65 2029.9,750.65 ccw(c2029.9,754.65) 2032.33,751.48 2032.75,751.8 cw(c2035.18,748.62) 2033.34,752.17 ccw(c2027,764.65) 2039.48,758.31 cw(c2043.03,756.47) 2039.88,758.94 2040.18,759.32 ccw(c2037.03,761.78) 2041,761.3 2041,764.51 ; U2.N8@2027,796.65 2028.8,794.85 2028.8,788.75 ccw(c2043.53,788.75) 2033.1,778.35 2036.93,774.52 cw(c2027,764.65) 2041,764.65 cw(c2027,764.65) 2041,764.53
  Signal Layer 2 w4: v1(1534.87,809.25) 1533.8,810.33 1505.93,810.33 ccw(c1505.93,797.29) 1496.72,806.51 1489.79,799.58 cw(c1486.27,803.11) 1486.27,798.13 1484.2,798.13 ccw(c1484.2,788.26) 1477.24,795.25 1474.33,792.34 ccw(c1479.99,786.7) 1472,786.7 1472,775.41 ccw(c1475.41,775.41) 1473,773 cw(c1466.04,766.04) 1475.88,766.04 1475.88,695.79 ccw(c1485.58,695.79) 1478.71,688.94 1496.44,671.21 ccw(c1512.27,687.03) 1512.27,664.65 1582.05,664.65 cw(c1582.05,642.51) 1597.71,658.17 1603.47,652.41 ccw(c1611.71,660.67) 1611.71,649 1629.09,649 ccw(c1629.09,664.11) 1639.76,653.42 1654.27,667.92 cw(c1666.53,655.65) 1666.53,673 1821.39,673 ccw(c1821.39,681.32) 1827.27,675.43 ; 1827.29,675.45 cw(c1833.16,669.55) 1833.16,677.87 1980.41,677.87 cw(c1980.41,654.41) 1997,671 v1(2015,653)
  Bottom Layer 1 w4: v1(2011.61,751.02) 2018.24,744.38 cw(c2002.23,728.38) 2024.87,728.38 2024.87,675.12 cw(c1995.32,675.12) v1@2016.24,654.24 ; v1(2015,653) v1@2016.22,654.22
SBA2: U1.V17 U2.M3 | length 723.2
  Top Layer 1 w4: U1.V17@1497.59,771.88 1498.63,770.84 1504.95,770.84 1506.44,769.35 cw(c1503.61,766.52) v1@1506.54,769.24 ; U2.M3@1871.56,827.65 v1(1907,827.65)
  Signal Layer 2 w4: 1497.01,693.33 cw(c1509.15,705.45) 1492,705.45 1492,749.07 cw(c1505.73,749.07) 1495.32,758.01 cw(c1498.37,755.43) 1495.54,758.26 v1(1506.56,769.23) ; 1497.02,693.32 1503.08,687.26 ccw(c1514,698.21) 1514,682.75 1631.84,682.75 ccw(c1631.84,690.75) 1637.45,685.04 1644.52,692.11 ; 1644.55,692.15 1648.2,695.79 cw(c1653.85,690.13) 1653.84,698.13 1785.56,698.13 ccw(c1785.56,713.98) 1796.76,702.76 1814.71,720.71 cw(c1823.58,711.89) 1814.77,720.77 cw(c1823.58,711.89) 1823.58,724.4 1906.02,724.4 1911.88,724.4 ccw(c1911.88,749.8) 1929.83,731.83 1933.98,735.98 1957.62,759.62 ccw(c1947.51,769.75) 1957.65,759.65 ccw(c1947.51,769.75) 1961.82,769.75 1961.85,779.29 ccw(c1948.98,779.33) 1961.85,779.38 ccw(c1948.98,779.33) 1961.85,779.48 1961.82,784.04 ccw(c1944.66,784.07) 1956.79,796.21 1930.12,822.88 ccw(c1916.17,808.92) 1916.17,828.65 1908,828.65 v1(1907,827.65)
SCAS: U1.U15 U2.K3 | length 469.8
  Top Layer 1 w4: U1.U15@1446.41,797.47 v1@1459.13,784.72 ; v1(1680.97,844.78) cw(c1706.54,819.21) 1706.54,855.37 1769.11,855.37 ccw(c1769.11,877.27) 1784.59,861.78 1791.02,868.2 ; 1791.03,868.22 cw(c1809,850.21) 1809,875.65 1844.69,875.65 ccw(c1844.69,898.14) 1860.58,882.23 U2.K3@1869.01,890.65
  Bottom Layer 1 w4: v1(1459.13,784.68) 1466.18,791.73 cw(c1480.24,777.66) 1480.24,797.55 ccw(c1480.24,817.44) 1494.3,803.38 1509.31,818.38 ; 1509.33,818.4 cw(c1520.93,806.76) 1518.28,822.98 cw(c1520.93,806.76) 1520.64,823.2 cw(c1520.93,806.76) 1520.93,823.2 1549.55,823.2 cw(c1549.55,796.27) 1562.44,819.92 cw(c1549.55,796.27) 1564.93,818.37 cw(c1549.55,796.27) 1568.59,815.31 ccw(c1580.01,832.62) 1572.81,813.17 ccw(c1580.01,832.62) 1580.01,811.88 1585.85,811.88 ccw(c1585.85,824.76) 1594.93,815.63 1610.37,831.07 cw(c1627.09,814.36) 1627.09,838 1630.44,838 ccw(c1630.44,849.57) 1638.62,841.39 cw(c1646.81,833.21) 1646.81,844.78 v1(1680.97,844.78)
SCK_N: R15.2 U1.AA20 U2.K7 | length 852.9
  Top Layer 1 w4: U1.AA20@1574.36,695.11 1583.16,686.32 cw(c1561.92,665.08) 1591.95,665.08 1591.95,657.68 ccw(c1595.95,657.68) 1591.96,657.49 v1(1592.7,641.81) ; v1(1980,875) 1980,875.33 1995,890.33 U2.K7@1995,890.65
  Signal Layer 1 w4: v1(1980,875) cw(c1991.46,875) 1983.36,883.11 1986.62,886.37 cw(c2000.92,866.59) 2000.92,891 2109.53,891 cw(c2109.53,847.92) 2110,891 cw(c2109.53,847.92) 2115.46,890.59 cw(c2115.46,866.01) 2129.97,885.85 cw(c2115.46,866.01) 2132.84,883.39 2137.47,878.76 cw(c2121.71,863) v1(2144,863)
  Bottom Layer 1 w4: v1@1591.57,645.2 1586.56,650.22 1586.56,660.12 cw(c1595.61,660.12) 1589.2,666.51 1592,669.31 cw(c1605.13,656.17) 1605.13,674.75 1680.25,674.75 ccw(c1680.25,702.51) 1699.88,682.88 1703.63,686.63 ccw(c1682.7,707.57) 1712.31,707.57 1712.31,726.46 cw(c1738.48,726.46) 1716.88,741.24 1723.05,747.41 ; v1@1591.59,645.18 cw(c1588.72,642.39) 1592.72,642.19 v1(1592.7,641.81) ; 1723.07,747.43 cw(c1725.85,744.56) 1723.43,747.75 1726.12,749.78 cw(c1728.53,746.59) 1726.56,750.07 cw(c1734.25,736.26) 1734.25,752.07 ccw(c1725,771.73) 1740.36,756.36 1750.98,766.98 ccw(c1748.12,769.78) 1751.53,767.68 1756.31,775.46 ccw(c1746.09,781.75) 1758.09,781.75 1758.09,797.04 cw(c1765.45,797.04) 1760.24,802.24 cw(c1770.89,791.61) 1763.14,804.51 cw(c1768.32,799.32) 1768.32,806.65 1828.92,806.65 ccw(c1828.92,832.26) 1847.02,814.15 ; 1847.02,814.15 1868,835.13 cw(c1888.58,814.54) 1888.58,843.65 1907.42,843.65 ccw(c1907.42,865.66) 1922.96,850.08 ; 1922.98,850.1 1957.44,884.55 cw(c1969.77,872.22) 1969.77,889.66 1976.99,889.66 1979.33,887.32 1979.33,875.67 v1(1980,875) ; R15.2@2114,869.65 2134.17,869.65 2140.82,863 v1(2144,863)